# Allegro board 20250806_UNOQ.brd (continued)
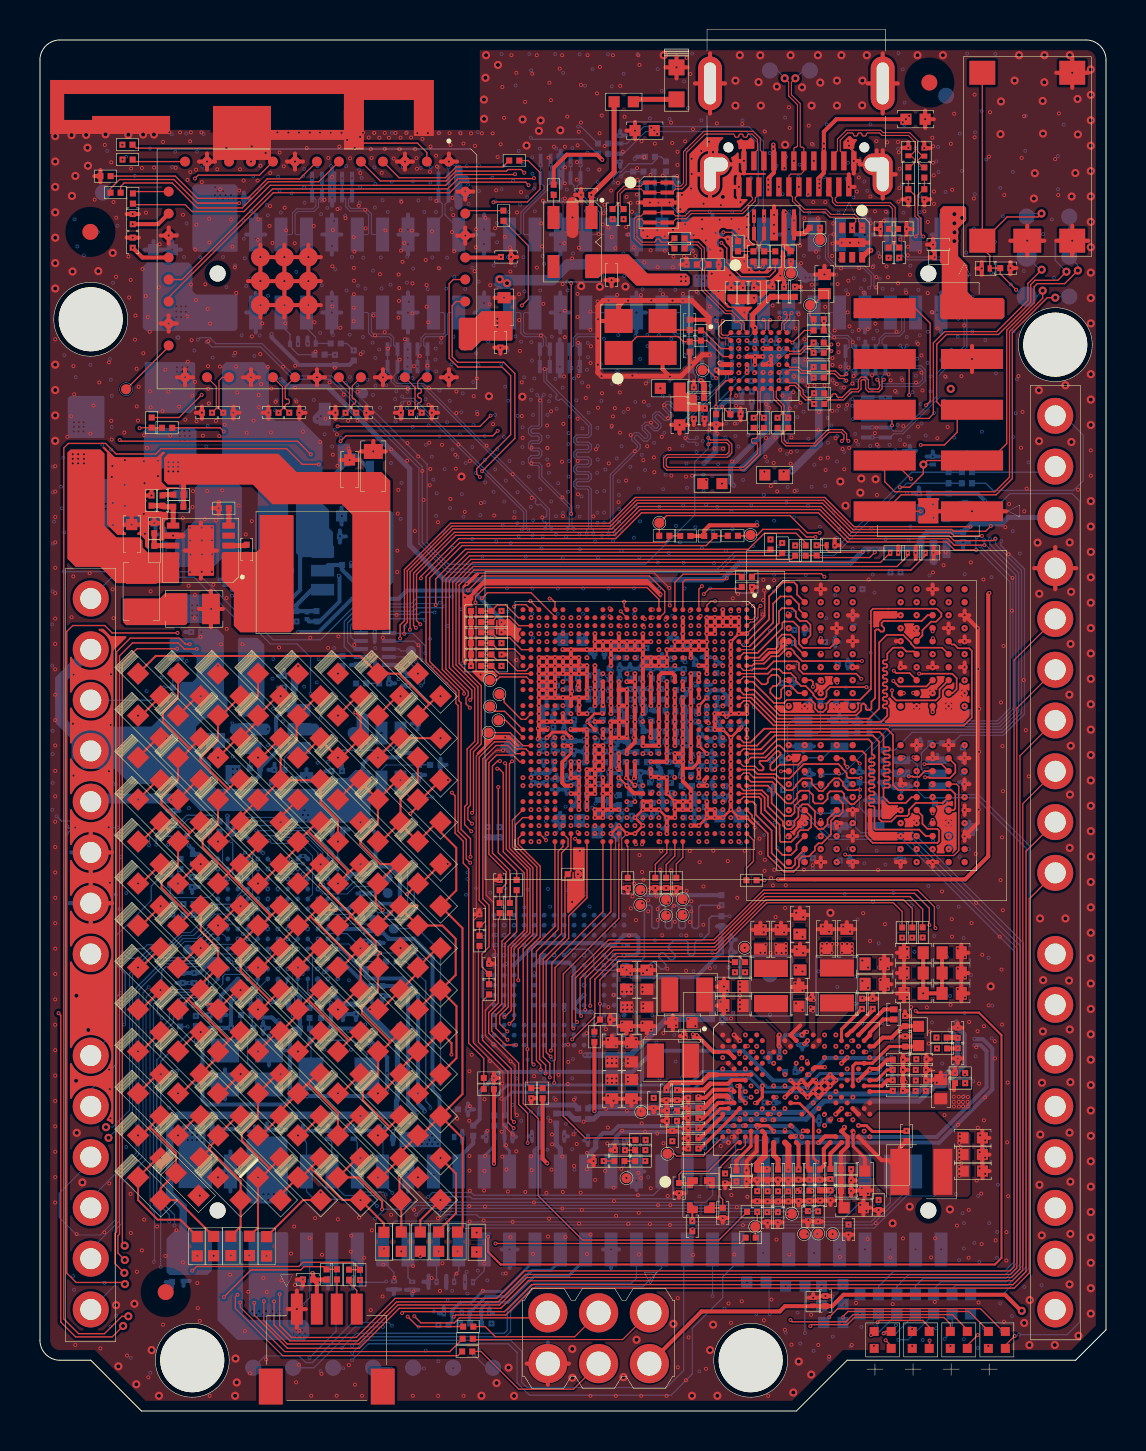
[diagram p0: board, top side]
## Routing (per net, layer and track width the routed paths; a pad name or vN(x,y) marks a point on that pad's centre or on a via; arc(x,y) is an arc through that point) (continued)
  G2 w0.2: 28.17,36.48 v2(28.17,36.88) ; v1(30.57,30.08) v2(30.17,30.08)
  G2 w0.203: JUSB1.S5 42.17,67.91 ; JUSB1.S5 42.92,66.41 ; JUSB1.S5 41.41,66.41 ; JUSB1.S5 42.17,64.91 ; 50.8,41.11 JDIGITAL1.15 ; JDIGITAL1.15 49.75,42.16 ; JDIGITAL1.15 50.8,43.21 ; JDIGITAL1.15 51.85,42.16 ; 32.87,61.86 JUSB1.S2 ; JUSB1.S2 33.53,63.06 ; JUSB1.S2 33.53,60.66 ; JSPI1.6 26.47,2.37 ; JSPI1.6 25.41,3.43 ; JSPI1.6 25.41,1.32 ; JSPI1.6 24.36,2.37 ; 35.96,15.58 36.19,15.58 36.19,15.93 ; 33.53,64.91 JUSB1.S6 ; JUSB1.S6 34.28,66.41 ; JUSB1.S6 32.77,66.41 ; JUSB1.S6 33.53,67.91 ; JANALOG1.7 3.59,25.4 ; JANALOG1.7 1.49,25.4 ; JANALOG1.7 2.54,24.35 ; JANALOG1.7 2.54,26.45 ; JANALOG1.6 2.54,28.99 ; JANALOG1.6 2.54,26.89 ; JANALOG1.6 1.49,27.94 ; JANALOG1.6 3.59,27.94 ; 42.17,60.66 JUSB1.S1 ; JUSB1.S1 42.82,61.86 ; JUSB1.S1 42.17,63.06 ; 41.01,62.36 JUSB1.S3 41.87,63.06 ; 33.83,63.06 JUSB1.S4 34.68,62.36 ; v1(39.02,11.57) v1(38.51,11.57)
  S3 w0.05: 34.37,40.09 34.63,40.35 ; 35.26,40.23 35.26,39.96 v2(34.97,39.68)
  S3 w0.051: v2(41.15,20.65) 41.28,20.65 41.39,20.76 ; 22.48,30.69 22.66,30.51 23.82,30.51 23.96,30.65 ; 27.32,47.3 32.93,41.69 32.93,39.69 33.1,39.52 33.15,39.52 v2(33.17,39.5) ; 34.39,39.72 34.35,39.68 v2(34.17,39.68) 34.37,39.88 34.37,40.09
  S3 w0.058: 29.79,49.96 29.56,50.19 29.46,50.19
  S3 w0.06: v2(35.29,15.98) 35.04,15.72 34.89,15.72 34.52,15.35 34.52,15.18 33.42,14.08 33.42,13.74 33.18,13.5 32.19,13.5 31.68,14.01 v2(31.64,14.01) ; 15.62,47.68 15.62,45.39 18.44,42.57 20.28,42.57 21.74,41.11 v2(21.74,41.03) 21.56,40.85 21.33,40.85 19.91,42.27 18.42,42.27 15.36,45.33 15.36,47.14 v2(15.25,47.25)
  S3 w0.064: 35.26,39.96 35.31,40.02 36.16,40.02 36.31,40.17 36.31,40.38 36.15,40.55 36.15,40.74 36.19,40.78 ; v2(35.53,15.06) 35.46,15.06 35.41,15.11 35.2,15.11 35.1,15.01 34.7,15.01 33.71,14.02 33.71,13.01 33.53,12.83 31.6,12.83 30.45,13.98 v2(30.28,13.98) ; 34.63,40.35 34.7,40.42 35.16,40.89 35.16,42.44 30.84,46.76 30.84,47.86 30.42,48.28 29.84,48.28 29.62,48.5 ; v2(29.95,11.91) 30.65,11.91 30.74,11.82 33.99,11.82 34.82,12.65 ; 1.03,42.7 1.34,42.7 ; 35.26,40.23 35.26,40.42 35.56,40.72 35.56,42.6 31.83,46.33 31.34,46.82 31.34,47.35
  S3 w0.066: 30.12,13.34 30.61,13.34 31.39,12.55 32.67,12.55 32.67,12.55 33.58,12.55 33.97,12.94 33.97,13.09 34,13.11 34,13.22 34.04,13.26 v2(34.07,13.26) ; 30.12,13.34 30.05,13.41 30.05,13.75 v2(30.28,13.98) ; 30.12,13.34 30.05,13.26 30.05,12.85 30.15,12.75 ; 30.15,12.75 30.78,12.75 30.87,12.67 30.87,12.67 31.22,12.32 32.58,12.32 32.58,12.32 33.77,12.32 34.36,12.91 34.36,13.13 34.36,13.14 34.36,13.45 ; 30.15,12.75 30.05,12.65 30.05,12.33 30.11,12.27 30.78,12.27 30.97,12.09 33.87,12.09 34.46,12.68
  S3 w0.079: 7.39,12.13 7.43,12.09 9.07,12.09
  S3 w0.1: v2(30.15,19.41) 30.27,19.52 30.51,19.52 ; 29.72,18.13 29.49,18.13 v2(29.39,18.24)
  S3 w0.127: v2(31.77,30.48) 31.77,30.19 31.71,30.14 v3(31.83,30.14) ; v3(30.97,31.96) v2(30.97,31.68) ; v2(43.06,30.06) 43.05,30.05 v3(42.79,30.05) ; v3(29.21,34.77) 29.22,34.77 29.37,34.62 v2(29.37,34.48) ; v2(28.97,36.48) 28.97,36.28 v3(29.07,36.18) ; v3(30.1,31.65) 30.1,31.61 SOC1.R23 29.77,31.33 v2(29.78,31.33) ; v2(30.57,32.08) 30.21,32.08 v3(30.21,32.16) ; v3(32.21,32.8) 32.21,32.8 32.17,32.76 v2(32.17,32.48) ; v3(26.03,31.68) v2(26.57,31.68) ; v3(45.39,38.88) 45.39,39.04 45.46,39.12 v2(45.46,39.16) ; v3(43.26,28.55) 43.06,28.74 v2(43.06,28.76) ; v3(31.89,33.25) 31.9,33.25 31.93,33.28 v2(32.17,33.28) ; v3(45.07,29.28) 45.2,29.41 v2(45.46,29.41) ; v3(30.44,37.28) v2(30.17,37.28) ; 30.47,29.99 30.57,30.09 v2(30.57,30.4) ; v2(28.17,31.68) 28.17,31.31 28.28,31.2 28.28,31.19 v3(28.28,31.19) ; 40.46,37.02 40.46,37.01 v3(40.46,37.01) v2(40.66,37.21) ; v2(45.46,33.31) 45.46,33.24 v3(45.29,33.06) ; v3(38.81,35.74) 38.98,35.91 v2(39.06,35.91) ; v3(44.18,36.24) 44.35,36.41 44.44,36.41 44.72,36.7 44.72,37.15 v2(44.66,37.21) ; v3(37.13,28.78) 37.11,28.77 37.09,28.77 ; v3(39.53,35.4) 39.61,35.32 v2(39.86,35.32) ; v2(28.57,30.08) 28.81,30.08 28.91,30.18 28.91,30.08 v3(28.85,30.08) ; v3(28.52,30.53) 28.57,30.53 v2(28.57,30.88) ; v2(27.37,33.28) 27.16,33.28 27.1,33.22 v3(27.1,33.22) ; v2(28.97,33.68) 28.98,33.68 28.98,33.66 29.01,33.69 29.01,33.45 29.03,33.43 29.03,33.35 29.06,33.33 29,33.33 29,33.32 v3(28.97,33.32) ; v2(32.17,31.68) 32.17,31.61 31.98,31.42 31.98,31.39 32,31.39 32,31.43 v3(31.99,31.43) ; v3(42.86,37.4) 42.87,37.4 v2(43.06,37.21) ; v3(33.09,37.68) v2(33.37,37.68) ; v2(28.17,29.68) 27.99,29.68 v3(27.9,29.6) ; v3(27.37,35.41) v2(27.37,35.68) ; v3(26.83,34.16) 26.64,34.16 26.6,34.11 26.54,34.11 26.54,34.13 26.58,34.13 26.58,34.13 v2(26.56,34.13) ; v2(32.53,30.49) 32.56,30.49 32.56,30.56 32.57,30.55 32.57,30.13 32.51,30.07 32.51,30.04 32.58,30.04 v3(32.58,30.06) ; v3(28.28,37.68) v2(28.57,37.68) ; v3(43.92,29.69) 43.92,29.47 v2(43.86,29.41) ; v3(26.29,32.08) v2(26.57,32.08) ; v3(26.69,30.08) v2(26.97,30.08) ; v3(33.3,38.08) v2(32.97,38.08) ; v3(28.17,30.36) v2(28.17,30.08)
  S3 w0.15: v2(35.1,34.2) 34.84,34.46 v3(34.75,34.46) 34.62,34.46 34.36,34.71 v2(34.36,34.72)
  S3 w0.2: v2(46.26,38.51) v3(46.56,38.51) ; v3(46.55,32.68) 46.52,32.66 v2(46.26,32.66) ; v2(31,34.08) 31,34.08 30.98,34.08 30.98,34.08 30.97,34.08 30.97,34.08 30.97,34.08 30.97,33.85 30.88,33.76 ; v3(29.18,33.99) 29.2,33.99 29.2,33.91 v2(29.36,33.76) ; v2(45.46,35.26) 45.48,35.24 v3(45.48,34.97) ; v3(28.74,34.3) 28.74,34.3 28.74,34.29 28.75,34.29 28.75,34.25 28.8,34.25 v2(29.01,34.46) ; v2(28.97,35.28) 28.97,35.38 29.1,35.51 v3(29.1,35.61) ; v2(30.97,34.48) 30.97,34.84 31.01,34.84 31.01,34.84 30.99,34.84 30.99,34.83 v3(31.02,34.83) ; v2(43.86,39.16) v3(43.86,38.87) ; v2(28.17,36.08) 28.17,36.36 v3(28.2,36.36) ; v2(46.26,28.76) v3(46.55,28.76) ; v3(39.64,38.98) 39.68,38.98 v2(39.86,39.16) ; v3(32.21,33.76) 32.21,33.76 32.17,33.8 v2(32.17,34.08) ; v2(39.86,29.41) 39.58,29.41 v3(39.58,29.41) ; v2(28.57,32.88) 28.57,33.19 v3(28.59,33.22) ; v3(31.03,35.58) 31.03,35.58 31.01,35.58 31.01,35.58 30.97,35.53 v2(30.97,35.28) ; v2(38.26,29.41) v3(38.26,29.69) ; v3(30.23,33.56) 30.27,33.56 30.27,33.58 30.22,33.58 30.22,33.58 30.17,33.53 30.17,33.32 30.16,33.31 30.16,33.29 30.17,33.28 v2(30.19,33.28) ; v2(44.66,41.11) v3(44.97,41.11) ; v3(29.07,36.88) v2(29.37,36.88) ; v2(46.26,31.36) v3(46.55,31.36) ; v2(37.4,28.71) 37.2,28.71 v3(37.13,28.78) ; v2(46.26,39.81) v3(46.56,39.81) ; v2(39.08,27.43) v3(39.08,27.15) ; v2(30.97,36.48) 30.97,36.66 31.06,36.75 31.06,36.86 v3(30.99,36.86) ; v3(29.25,31.93) 29.21,31.93 29.21,31.93 29.31,31.83 29.31,31.67 v2(29.33,31.67) ; v2(46.26,35.91) v3(45.99,35.91) ; v2(46.26,37.21) 46.54,37.21 v3(46.55,37.22) ; v2(38.32,39.12) v3(38.52,39.32) ; v3(30.17,36.07) v2(30.17,35.68) ; v3(30.17,35.28) v2(30.17,34.88) ; v2(44.66,27.46) v3(44.46,27.66) ; v3(28.52,32.37) 28.5,32.37 28.5,32.36 28.57,32.29 v2(28.57,32.08) ; v2(40.66,39.81) v3(41,39.81) ; v2(43.06,39.81) 42.83,39.81 42.82,39.8 v3(42.79,39.8) ; v3(32.17,35.33) v2(32.17,35.68) ; v2(28.57,37.28) 28.39,37.28 v3(28.31,37.2) ; v2(43.06,38.51) 42.88,38.32 42.88,38.31 v3(42.87,38.31) ; v2(37.42,39.9) 37.43,39.9 v3(37.63,40.09) ; v2(43.06,27.46) v3(43.06,27.17) ; v3(31.01,37.68) v2(31.37,37.68) ; v2(46.26,30.06) v3(46.58,30.06) ; v3(32.17,34.55) v2(32.17,34.88) ; v3(40.38,28.73) 40.4,28.76 v2(40.66,28.76)
  S3 w0.203: 1.49,27.94 JANALOG1.6 ; JANALOG1.6 2.54,28.99 ; JANALOG1.6 3.59,27.94 ; JANALOG1.6 2.54,26.89 ; v3(37.18,38.06) 37.18,38.36 v2(37.19,38.37) ; JUSB1.S1 42.82,61.86 ; JUSB1.S1 42.17,63.06 ; JUSB1.S1 42.17,60.66 ; JDIGITAL1.15 50.8,43.21 ; JDIGITAL1.15 50.8,41.11 ; JDIGITAL1.15 51.85,42.16 ; JDIGITAL1.15 49.75,42.16 ; JUSB1.S5 42.17,67.91 ; JUSB1.S5 42.92,66.41 ; JUSB1.S5 41.41,66.41 ; JSPI1.6 26.47,2.37 ; JSPI1.6 25.41,1.32 ; JSPI1.6 24.36,2.37 ; JSPI1.6 25.41,3.43 ; 33.83,63.06 JUSB1.S4 34.68,62.36 ; 41.01,62.36 JUSB1.S3 41.87,63.06 ; v3(33.6,29.54) 33.6,29.65 33.57,29.68 v2(33.37,29.68) ; 1.49,25.4 JANALOG1.7 ; JANALOG1.7 3.59,25.4 ; JANALOG1.7 2.54,26.45 ; JANALOG1.7 2.54,24.35 ; 32.77,66.41 JUSB1.S6 ; JUSB1.S6 34.28,66.41 ; JUSB1.S6 33.53,67.91 ; v2(42.06,21.56) 42.06,21.56 42.23,21.39 ; v2(39.26,18.24) 39.26,18.1 39.19,18.03 ; JUSB1.S2 33.53,63.06 ; JUSB1.S2 33.53,60.66 ; JUSB1.S2 32.87,61.86
  V4 w0.203: 41.01,62.36 JUSB1.S3 41.87,63.06 ; JSPI1.6 26.47,2.37 ; JSPI1.6 24.36,2.37 ; JSPI1.6 25.41,3.43 ; JSPI1.6 25.41,1.32 ; JUSB1.S6 33.53,67.91 ; JUSB1.S6 32.77,66.41 ; JUSB1.S6 33.53,64.91 ; JUSB1.S6 34.28,66.41 ; JANALOG1.6 3.59,27.94 ; JANALOG1.6 2.54,26.89 ; JANALOG1.6 2.54,28.99 ; JANALOG1.6 1.49,27.94 ; 42.17,60.66 JUSB1.S1 ; JUSB1.S1 42.17,63.06 ; JUSB1.S1 42.82,61.86 ; 41.41,66.41 JUSB1.S5 ; JUSB1.S5 42.92,66.41 ; JUSB1.S5 42.17,64.91 ; JUSB1.S5 42.17,67.91 ; 50.8,41.11 JDIGITAL1.15 ; JDIGITAL1.15 49.75,42.16 ; JDIGITAL1.15 51.85,42.16 ; JDIGITAL1.15 50.8,43.21 ; JANALOG1.7 3.59,25.4 ; JANALOG1.7 2.54,26.45 ; JANALOG1.7 2.54,24.35 ; JANALOG1.7 1.49,25.4 ; 33.53,60.66 JUSB1.S2 ; JUSB1.S2 33.53,63.06 ; JUSB1.S2 32.87,61.86 ; 33.83,63.06 JUSB1.S4 34.68,62.36
  V5 w0.203: 41.01,62.36 JUSB1.S3 41.87,63.06 ; JUSB1.S5 42.17,67.91 ; JUSB1.S5 41.41,66.41 ; JUSB1.S5 42.92,66.41 ; JDIGITAL1.15 50.8,43.21 ; JDIGITAL1.15 50.8,41.11 ; JDIGITAL1.15 49.75,42.16 ; JDIGITAL1.15 51.85,42.16 ; 42.17,60.66 JUSB1.S1 ; JUSB1.S1 42.17,63.06 ; JUSB1.S1 42.82,61.86 ; 12.75,17.11 13.34,17.7 v3(13.36,17.7) ; JSPI1.6 25.41,3.43 ; JSPI1.6 26.47,2.37 ; JSPI1.6 24.36,2.37 ; JSPI1.6 25.41,1.32 ; JUSB1.S2 33.53,63.06 ; JUSB1.S2 33.53,60.66 ; JUSB1.S2 32.87,61.86 ; 33.83,63.06 JUSB1.S4 34.68,62.36 ; JUSB1.S6 33.53,67.91 ; JUSB1.S6 32.77,66.41 ; JUSB1.S6 34.28,66.41
  S6 w0.051: 32.71,33.27 32.71,33.27 32.83,33.15 32.95,33.15
  S6 w0.127: v3(26.71,30.63) v5(26.91,30.82)
  S6 w0.15: v3(30.23,33.56) 30.23,33.67 30.1,33.8
  S6 w0.2: 27.93,29.88 27.93,29.62 v3(27.9,29.6) ; v3(39.08,27.15) 39.08,27.15 v5(38.68,27.15) ; v3(28.97,33.32) 29,33.32 29,33.33 29.06,33.33 29.03,33.35 29.03,33.43 28.96,33.43 v5(28.82,33.57) ; v5(38.26,39.07) 38.27,39.07 v3(38.52,39.32) ; v5(29.3,33.74) 29.3,33.67 29.2,33.76 29.2,33.99 v3(29.18,33.99) ; v3(39.64,38.98) 39.79,38.83 v5(39.79,38.47) ; v3(26.83,34.16) 26.94,34.05 v5(27.27,34.05) ; v5(46.21,31.44) 46.41,31.44 46.5,31.36 v3(46.55,31.36) ; v5(26.91,30.28) 26.89,30.28 v3(26.69,30.08) 26.93,29.85 26.93,29.75 ; v3(46.55,32.68) 46.53,32.68 46.53,32.68 v5(46.18,32.68) ; v3(38.26,29.69) 38.13,29.56 v5(38.13,29.41) ; v5(26.91,31.36) v5(26.91,30.82) ; v3(40.66,27.17) 40.52,27.32 v5(40.52,27.53) ; v3(28.85,30.08) 28.91,30.08 28.91,30.1 29.1,29.9 v5(29.1,29.79) ; v5(32.64,38.4) 32.35,38.69 v5(31.71,38.69) ; v5(29,37.15) 29,36.94 v3(29.07,36.88) 29.07,36.88 v5(29.07,36.59) ; v3(46.58,30.06) 46.15,29.63 46.15,29.41 ; v5(45.96,34.97) v3(45.48,34.97) ; v3(40.66,31.37) 40.66,31.38 v5(40.36,31.38) ; v3(40.46,37.01) 40.42,37.04 v5(40.42,37.36) ; v3(29.21,34.77) 29.18,34.75 29.18,34.51 v5(29.14,34.46) ; v3(27.1,33.22) 27.26,33.06 27.26,33 v5(27.27,33) ; v5(26.35,31.6) 26.35,31.6 C1834.2 26.12,31.6 v3(26.03,31.68) 25.89,31.54 v5(25.76,31.54) ; v5(37.21,38.41) 37.18,38.37 v3(37.18,38.06) ; v3(28.2,36.36) 28.15,36.36 27.99,36.21 v5(27.99,36.12) ; 26.5,35.5 26.35,35.65 v5(26.35,35.7) ; v5(36.67,31.06) v3(36.67,30.77) 36.64,30.74 v5(34.29,30.74) 34.27,30.73 v5(33.77,30.73) ; v3(43.06,27.17) 43.03,27.2 v5(43.03,27.59) ; v3(28.52,30.53) 28.57,30.53 28.57,30.4 28.45,30.28 28.45,30.25 28.4,30.3 28.23,30.3 v3(28.17,30.36) ; v5(35,34.35) 34.86,34.35 v3(34.75,34.46) 34.68,34.52 34.09,34.52 v5(33.97,34.63) ; v5(33.84,37.42) 33.65,37.42 v5(33.36,37.71) 33.11,37.71 v3(33.09,37.68) 32.87,37.46 32.87,37.48 v5(32.84,37.48) ; v5(28.3,33.53) 28.32,33.53 28.32,33.56 28.59,33.29 v3(28.59,33.22) ; v3(46.55,28.76) 46.55,28.47 46.47,28.39 v5(46.47,28.1) ; v3(28.28,31.19) 28.28,31.19 28.28,31.2 28.42,31.34 28.55,31.34 28.55,31.33 28.54,31.33 28.54,31.32 v5(28.54,31.32)
  S6 w0.203: 30.99,35.15 30.96,35.13 v5(30.88,35.13) ; JUSB1.S6 34.28,66.41 ; JUSB1.S6 32.77,66.41 ; JUSB1.S6 33.53,67.91 ; v5(6.17,44.53) 6.05,44.53 ; JUSB1.S2 33.53,63.06 ; JUSB1.S2 32.87,61.86 ; JUSB1.S2 33.53,60.66 ; v5(30.04,34.6) 30.08,34.6 30.15,34.67 ; JANALOG1.6 3.59,27.94 ; JANALOG1.6 2.54,28.99 ; JANALOG1.6 2.54,26.89 ; JANALOG1.6 1.49,27.94 ; 44,29.27 43.92,29.35 v3(43.92,29.69) ; v5(26.17,38.6) 26.28,38.71 26.3,38.71 26.3,38.36 ; JANALOG1.7 3.59,25.4 ; JANALOG1.7 2.54,24.35 ; JANALOG1.7 1.49,25.4 ; JANALOG1.7 2.54,26.45 ; v3(39.53,35.4) 39.19,35.74 v3(38.81,35.74) ; v3(41,39.81) 40.94,39.75 v5(40.7,39.75) ; 41.87,63.06 JUSB1.S3 41.01,62.36 ; 25.41,1.32 JSPI1.6 ; JSPI1.6 24.36,2.37 ; JSPI1.6 26.47,2.37 ; JSPI1.6 25.41,3.43 ; v4(8.74,21.08) 8.74,20.88 v3(8.81,20.8) ; 32.16,33.35 32.22,33.41 v5(32.35,33.41) ; 32.18,36.02 32.28,36.12 v5(32.36,36.12) ; JUSB1.S5 42.92,66.41 ; JUSB1.S5 42.17,67.91 ; JUSB1.S5 41.41,66.41 ; 42.17,63.06 JUSB1.S1 42.82,61.86 ; 50.8,41.11 JDIGITAL1.15 ; JDIGITAL1.15 49.75,42.16 ; JDIGITAL1.15 51.85,42.16 ; JDIGITAL1.15 50.8,43.21 ; 34.68,62.36 JUSB1.S4 33.83,63.06
  G7 w0.051: 33.8,34.35 33.4,34.35 33.35,34.3 33.35,33.65 ; 28.55,37.25 28.7,37.25 28.83,37.12 ; 33.2,31.5 33.05,31.35 32.75,31.35 32.65,31.45 32.5,31.45
  G7 w0.2: v5(33.97,34.63) 33.95,34.63 33.95,34.66 33.92,34.66 33.92,34.58 33.91,34.58 34.03,34.46 v5(34.03,34.11) ; v5(32.74,30.19) 32.74,30.19 32.98,29.95 ; v5(30.66,37.1) 31.11,37.1 v5(31.14,37.14) 31.39,37.14 31.43,37.1 v5(31.71,37.1) 32.21,37.1 v5(32.21,37.11) 32.46,37.11 32.58,37.23 32.63,37.23 32.69,37.28 32.82,37.41 32.87,37.41 32.87,37.48 v5(32.84,37.48)
  G7 w0.203: v5(33.56,32.8) 33.54,32.8 v5(33.01,33.33) ; 42.17,64.91 JUSB1.S5 ; JUSB1.S5 41.41,66.41 ; JUSB1.S5 42.92,66.41 ; JUSB1.S5 42.17,67.91 ; JUSB1.S1 42.17,63.06 ; JUSB1.S1 42.82,61.86 ; JUSB1.S1 42.17,60.66 ; v5(26.23,34.08) 26.23,33.92 26.25,33.9 ; 41.01,62.36 JUSB1.S3 41.87,63.06 ; JANALOG1.6 2.54,28.99 ; JANALOG1.6 1.49,27.94 ; JANALOG1.6 3.59,27.94 ; v4(9.75,24.68) 9.47,24.68 v5(9.4,24.61) ; JDIGITAL1.15 51.85,42.16 ; JDIGITAL1.15 50.8,43.21 ; JDIGITAL1.15 50.8,41.11 ; JDIGITAL1.15 49.75,42.16 ; 33.53,64.91 JUSB1.S6 ; JUSB1.S6 33.53,67.91 ; JUSB1.S6 32.77,66.41 ; JUSB1.S6 34.28,66.41 ; 2.54,24.35 JANALOG1.7 ; JANALOG1.7 1.49,25.4 ; JANALOG1.7 3.59,25.4 ; 32.87,61.86 JUSB1.S2 ; JUSB1.S2 33.53,63.06 ; JUSB1.S2 33.53,60.66 ; 34.12,19.76 34.13,19.75 v5(34.13,19.61) ; v5(33.69,32.29) 33.71,32.27 33.71,31.3 v5(33.75,31.3) ; 33.83,63.06 JUSB1.S4 34.68,62.36 ; JSPI1.6 25.41,3.43 ; JSPI1.6 25.41,1.32 ; JSPI1.6 24.36,2.37 ; JSPI1.6 26.47,2.37
  BOTTOM w0.051: v5(27.8,34.04) 27.81,34.04 28.09,33.76 28.22,33.76 28.3,33.68 v5(28.3,33.53) ; v5(10.4,22.11) 10.64,22.35 11.18,22.35 v5(11.25,22.28) ; v5(10.4,22.11) 10.16,22.35 9.68,22.35 v5(9.58,22.45) ; v5(10.4,22.11) 10.62,21.89 11.17,21.89 MCU1.H2 ; 30.78,35.86 30.89,35.86 31.15,35.6 C1812.2 31.15,35.56 30.91,35.32 ; MCU1.B8 v5(14.2,25.3)
  BOTTOM w0.064: 30.78,34 30.88,34.08 30.88,34.08 30.9,34.08 30.9,34.11 30.96,34.11 30.96,34.1 30.98,34.1 31,34.1 ; C1823.2 29.43,33.54 29.34,33.63 29.31,33.63 29.31,33.66 29.3,33.66 v5(29.3,33.74)
  BOTTOM w0.1: MCU1.H2 11.4,22.13 v5(11.25,22.28)
  BOTTOM w0.2: 16.75,38.47 v5(16.75,38.97) ; C1743.2 v5(26.26,32.44)
  BOTTOM w0.203: 34.36,15.57 C803.2 ; C803.2 34.58,15.8 ; C803.2 34.58,15.34 ; 14.16,6.44 D26075.1 ; D26075.1 14.41,6.13 ; D26075.1 14.41,6.66 v5(14.41,6.66) ; 15.51,45.28 v5(15.86,45.28) ; v5(15.86,45.28) 15.86,45.88 ; v5(15.86,45.28) 16.21,45.28 ; v5(15.86,45.28) 15.86,44.68 ; 10.61,18.04 Y2501.4 ; Y2501.4 11.46,18.79 ; Y2501.4 11.46,17.29 ; Y2501.4 12.31,18.04 ; v5(36.49,17.69) 36.49,17.91 ; v5(36.49,17.69) 36.27,17.69 ; v5(36.49,17.69) 36.49,17.46 ; 40.67,34.45 v5(40.9,34.45) ; v5(40.9,34.45) 41.13,34.45 ; v5(40.9,34.45) 40.9,34.68 ; v5(9.96,20.88) 9.55,20.48 v5(9.55,19.16) 8.47,19.16 8.13,18.82 v5(8.13,17.02) 8.13,16.35 ; 8.16,33.53 v5(8.78,33.53) ; v5(8.78,33.53) 9.41,33.53 ; v5(8.78,33.53) 8.78,33 ; v5(6.23,43.84) 6.53,43.84 ; v5(6.23,43.84) 6.23,44.15 ; v5(6.23,43.84) 5.93,43.84 ; 29.84,57.84 v5(29.84,58.85) ; v5(29.84,58.85) 29.84,59.85 ; v5(29.84,58.85) 29.37,58.85 ; v5(29.84,58.85) 30.32,58.85 ; 49.75,42.16 JDIGITAL1.15 ; JDIGITAL1.15 50.8,41.11 ; JDIGITAL1.15 50.8,43.21 ; 36.99,58.85 JMEDIA1.14 ; JMEDIA1.14 37.94,58.85 ; JMEDIA1.14 37.47,57.84 ; JMEDIA1.14 37.47,59.85 ; v5(21.41,15.09) 21.72,15.09 ; v5(21.41,15.09) 21.41,14.79 ; v5(21.41,15.09) 21.41,15.39 ; 22.23,57.84 JMEDIA1.38 ; JMEDIA1.38 22.23,59.85 ; JMEDIA1.38 22.7,58.85 ; JMEDIA1.38 21.75,58.85 ; 33.87,24.25 R2113.2 ; R2113.2 34.33,24.25 ; R2113.2 v5(34.1,23.93) ; 30.89,29.92 C1909.2 30.66,29.69 ; 15,43.45 v5(15,43.75) ; v5(15,43.75) 15.31,43.75 ; v5(15,43.75) 15,44.05 ; 32.08,32.54 C1903.2 31.85,32.31 ; v5(41.3,52.58) 41.3,53.51 ; 30.56,33.49 30.78,33.49 30.78,33.72 ; 25.35,36.05 C1920.2 ; C1920.2 25.35,36.51 ; C1920.2 25.13,36.28 ; 18.41,10.98 v5(18.41,11.98) ; v5(18.41,11.98) 17.94,11.98 ; v5(18.41,11.98) 18.89,11.98 ; 40.42,37.13 v5(40.42,37.36) ; v5(40.42,37.36) 40.42,37.58 ; v5(40.42,37.36) 40.65,37.36 ; 45.95,32.68 v5(46.18,32.68) ; v5(46.18,32.68) 46.41,32.68 ; v5(46.18,32.68) 46.18,32.45 ; 16.85,42.22 C2808.2 16.42,42.65 ; 40,28.98 v5(40,29.25) ; v5(40,29.25) 39.48,29.25 ; v5(40,29.25) 40.52,29.25 ; v5(39.79,38.47) 40.02,38.47 ; v5(39.79,38.47) 39.79,38.7 ; v5(39.79,38.47) 39.79,38.24 ; 42.17,60.66 JUSB1.S1 ; JUSB1.S1 42.82,61.86 ; JUSB1.S1 42.17,63.06 ; 31.21,32.47 C1742.2 31.67,32.47 ; v5(38.5,31.85) 38.5,32.08 ; v5(38.5,31.85) 38.27,31.85 ; v5(38.5,31.85) 38.73,31.85 ; 26.91,31.13 v5(26.91,31.36) ; v5(26.91,31.36) 26.68,31.36 ; v5(26.91,31.36) 26.91,31.59 ; 30.37,61.12 v5(30.37,61.43) 30.11,61.43 ; 21.27,6.14 v5(21.27,6.45) 21.27,6.76 ; 12.7,19.13 C2527.2 ; C2527.2 13,18.82 ; C2527.2 12.5,18.62 ; C2527.2 13,20.7 v5(12.8,20.9) ; 29.83,30.93 C1907.2 ; C1907.2 30.01,30.88 C1844.2 ; C1907.2 30.06,30.71 ; C1907.2 30.06,31.16 ; 7.04,45.49 D26201.1 ; D26201.1 6.52,45.86 ; D26201.1 7.04,46.23 ; 45.96,34.74 v5(45.96,34.97) ; v5(45.96,34.97) 45.73,34.97 ; v5(45.96,34.97) 45.96,35.2 ; v5(28.78,32.98) 28.78,33.21 ; v5(28.78,32.98) 29.01,32.98 ; v5(28.78,32.98) 28.78,32.75 ; 29.07,32.97 C1716.2 29.52,32.97 ; JMEDIA1.19 34.13,54.95 ; JMEDIA1.19 33.66,53.94 ; JMEDIA1.19 33.66,55.95 ; JMEDIA1.19 33.18,54.95 ; v5(28.57,8.08) 28.97,8.08 ; v5(28.57,8.08) 28.18,8.08 ; v5(28.57,8.08) 28.57,7.16 ; 45.98,31.44 v5(46.21,31.44) ; v5(46.21,31.44) 46.44,31.44 ; v5(46.21,31.44) 46.21,31.21 ; 33.62,32.04 C1839.2 ; C1839.2 33.62,32.5 ; C1839.2 33.85,32.27 ; 43.03,27.37 v5(43.03,27.59) ; v5(43.03,27.59) 43.26,27.59 ; v5(43.03,27.59) 42.8,27.59 ; 27.41,13.31 v5(27.41,13.54) ; v5(27.41,13.54) 27.41,13.77 ; v5(27.41,13.54) 27.23,13.54 ; 9.52,10.98 9.52,11.98 ; 9.52,11.98 9.52,12.98 ; 9.52,11.98 10,11.98 ; 9.52,11.98 9.05,11.98 ; 33.83,63.06 JUSB1.S4 34.68,62.36 ; v5(44.05,33.4) 44.05,33.63 ; v5(44.05,33.4) 44.05,33.17 ; v5(44.05,33.4) 43.82,33.4 ; MCU1.B2 v5(14.22,21.95) ; v5(40.7,39.75) 40.93,39.75 ; v5(40.7,39.75) 40.47,39.75 ; v5(40.7,39.75) 40.7,39.98 ; 33.18,58.85 v5(33.66,58.85) ; v5(33.66,58.85) 34.13,58.85 ; v5(33.66,58.85) 33.66,57.84 ; v5(33.66,58.85) 33.66,59.85 ; 24.44,13.74 v5(24.62,13.74) ; v5(24.62,13.74) 24.62,13.98 ; v5(24.62,13.74) 24.62,13.51 ; 38.26,38.85 v5(38.26,39.07) ; v5(38.26,39.07) 38.49,39.07 ; v5(38.26,39.07) 38.26,39.3 ; v5(18.62,6.06) 18.94,6.06 ; v5(18.62,6.06) 18.31,6.06 ; v5(18.62,6.06) 18.62,5.81 ; D26094.1 v5(13.94,14.02) D26093.1 ; D26094.1 12.84,14.02 ; D26094.1 13.15,14.28 ; 29.01,36.91 C1740.2 ; C1740.2 29.23,37.14 ; C1740.2 29.01,37.37 ; v5(38.98,14.53) 38.98,14.76 ; v5(38.98,14.53) 38.98,14.3 ; v5(38.98,14.53) 38.75,14.53 ; 29.83,38.41 v5(29.83,38.19) 29.6,38.19 ; v5(40.36,31.38) 40.59,31.38 ; v5(40.36,31.38) 40.36,31.6 ; v5(40.36,31.38) 40.36,31.15 ; 26.72,32.78 v5(26.72,33.01) ; v5(26.72,33.01) 26.49,33.01 ; v5(26.72,33.01) 26.95,33.01 ; 41.87,63.06 JUSB1.S3 41.01,62.36 ; D26091.1 17.14,14.01 v5(17.38,14.25) ; D26091.1 17.01,14.27 ; D26091.1 16.7,14.01 ; D26091.1 17,14.02 D26092.1 ; 40.93,49.7 v5(41.86,49.7) ; 11.91,36.2 v5(12.22,36.2) 12.22,35.89 ; v5(32.13,35.6) 32.34,35.81 C1810.2 32.57,36.06 ; v5(32.74,29.68) 32.74,29.91 ; v5(32.74,29.68) 32.74,29.45 ; v5(32.74,29.68) 32.97,29.68 ; C1935.2 31.68,38.89 ; C1935.2 31.91,38.67 ; C1935.2 31.46,38.67 ; C2621.2 11.25,13.98 D26097.1 ; C2621.2 11.35,14.39 ; C2621.2 11.99,14.08 C2622.2 ; 33.87,34.93 C1916.2 33.87,35.39 ; 28.4,29.72 C1723.2 ; C1723.2 28.4,30.17 ; C1723.2 28.63,29.95 ; 30.25,31.95 C1711.2 30.02,31.72 ; 27.5,34.05 v5(27.27,34.05) 27.27,34.28 ; v5(18.97,31.81) 19.27,31.81 ; v5(18.97,31.81) 18.97,31.5 ; v5(18.97,31.81) 18.67,31.81 ; v5(38.2,33.25) 38.72,33.25 ; v5(38.2,33.25) 37.68,33.25 ; v5(38.2,33.25) 38.2,32.98 ; v5(12.5,16.07) 12.5,15.59 12.25,15.34 8.35,15.34 8.13,15.56 8.13,16.35 ; v5(12.5,16.07) 12.83,15.75 17.04,15.75 v5(17.37,16.08) 17.37,17.68 15.93,19.13 v5(14.55,19.13) ; v5(12.5,16.07) 12.5,18.62 ; 33.1,37.71 C1937.2 ; C1937.2 33.55,37.71 ; C1937.2 33.32,37.94 ; C1825.2 29.12,33.51 ; C1825.2 28.89,33.28 ; C1825.2 28.66,33.51 ; 44.38,32.55 v5(44.9,32.55) ; v5(44.9,32.55) 44.9,32.82 ; v5(44.9,32.55) 45.42,32.55 ; v5(40,34.55) 40,34.82 ; v5(40,34.55) 40.52,34.55 ; v5(40,34.55) 39.48,34.55 ; C2203.2 34.28,33.55 ; C2203.2 34.05,33.32 ; C2203.2 34.05,33.78 ; v5(34.13,20.88) 34.13,21.1 ; v5(34.13,20.88) 34.13,20.65 ; v5(34.13,20.88) 34.36,20.88 ; C1845.2 32.21,38.35 ; 10.44,13.98 D26097.1 ; D26097.1 10.75,14.24 ; 30.19,34.23 C1809.2 30.42,34.01 ; v5(29.03,63.8) 29.34,63.8 ; v5(29.03,63.8) 28.72,63.8 ; v5(29.03,63.8) 29.03,64.06 ; v5(36.67,31.06) 36.67,31.29 ; v5(36.67,31.06) 36.67,30.83 ; v5(36.67,31.06) 36.45,31.06 ; 28.84,29.37 C1707.2 28.84,28.57 ; 30.31,31.95 C1908.2 ; C1908.2 30.76,31.95 ; C1908.2 30.53,32.18 ; v5(41.27,58.85) 41.27,59.85 ; v5(41.27,58.85) 40.8,58.85 ; v5(41.27,58.85) 41.27,57.84 ; v5(41.27,58.85) 41.75,58.85 ; v5(14.62,61.66) 14.62,62.15 ; 30.56,35.04 30.78,35.04 ; 6.38,30.02 v5(6.68,30.02) ; v5(6.68,30.02) 6.68,29.72 ; v5(6.68,30.02) 6.98,30.02 ; C1806.2 27.96,36.8 C1805.2 27.95,37.03 ; 15.09,44.34 v5(15.09,44.77) 15.09,45.2 ; D26048.1 31.98,61.44 ; D26048.1 31.72,61.13 ; D26048.1 31.72,61.75 ; 41.3,51.65 v5(41.3,52.14) ; 30.35,37.44 v5(30.35,37.67) 30.58,37.67 ; 1.49,25.4 JANALOG1.7 ; JANALOG1.7 3.59,25.4 ; JANALOG1.7 2.54,26.45 ; JANALOG1.7 2.54,24.35 ; 6.87,53.7 6.91,53.7 v5(6.92,53.69) ; v5(40.52,27.53) 40.52,27.76 ; v5(40.52,27.53) 40.52,27.3 ; v5(40.52,27.53) 40.75,27.53 ; v5(24.68,31.41) 24.91,31.41 ; 26.04,53.94 v5(26.04,54.95) ; v5(26.04,54.95) 26.04,55.95 ; v5(26.04,54.95) 25.56,54.95 ; v5(26.04,54.95) 26.51,54.95 ; 24.36,2.37 JSPI1.6 ; JSPI1.6 26.47,2.37 ; JSPI1.6 25.41,3.43 ; 25.18,33.95 C1851.2 25.18,34.41 ; 41.28,30.55 v5(41.8,30.55) ; v5(41.8,30.55) 41.8,30.82 ; v5(41.8,30.55) 42.32,30.55 ; v5(18.39,52.68) 18.39,53.61 ; C2210.2 35.05,34.59 ; C2210.2 35.28,34.36 ; C2210.2 35.05,34.13 ; v5(13.34,31.68) 13.82,31.68 ; v5(13.34,31.68) 13.34,32.11 ; v5(13.34,31.68) 12.86,31.68 ; U2611.3 42.79,49.7 ; v5(37.21,38.41) 37.21,38.63 ; v5(37.21,38.41) 37.21,38.18 ; v5(37.21,38.41) 36.99,38.41 ; v5(13.09,6.66) 13.09,6.66 D26076.1 ; 29.84,11.98 29.84,12.91 ; 29.84,11.98 29.45,11.98 ; 29.84,11.98 29.84,11.06 ; 29.84,11.98 30.24,11.98 ; 30.03,31.67 C1910.2 30.03,31.21 ; 26.84,30.51 C1721.2 26.61,30.28 ; 8.18,19.81 v5(8.48,19.81) 8.48,19.51 ; C2631.2 v5(6.17,44.53) ; C2631.2 5.77,44.96 ; C2631.2 5.77,44.1 ; 28.87,29.77 C1838.2 ; C1838.2 29.1,30 ; C1838.2 29.1,29.55 ; v5(11.17,19.16) 11.48,19.16 ; v5(11.17,19.16) 11.17,18.86 ; v5(11.17,19.16) 11.17,19.47 ; 30.91,37.65 C1913.2 ; C1913.2 31.13,37.42 ; C1913.2 31.13,37.87 ; 30.37,29.79 C1904.2 30.14,29.57 ; 10.32,54.95 v5(10.79,54.95) ; v5(10.79,54.95) 10.79,53.94 ; v5(10.79,54.95) 10.79,55.95 ; v5(10.79,54.95) 11.27,54.95 ; D26093.1 14.42,14.28 ; D26093.1 15.66,14.02 ; C1939.2 25.17,35.06 C1918.2 25.17,34.49 ; C1939.2 25.12,35.23 ; C1939.2 25.34,35.46 ; 26.13,31.6 C1834.2 ; C1834.2 26.35,31.83 ; C1834.2 26.58,31.6 ; 25.82,38.6 v5(26.17,38.6) 26.17,39 ; 14.62,60.29 v5(14.62,61.22) ; C2622.2 12,14.38 ; C2622.2 12.29,14.07 v5(12.29,14.07) ; C2622.2 11.7,14.07 ; JMEDIA1.32 26.51,58.85 ; JMEDIA1.32 26.04,59.85 ; JMEDIA1.32 26.04,57.84 ; JMEDIA1.32 25.56,58.85 ; v5(37.8,53.06) 37.8,53.37 ; Y2501.2 10.11,16.34 ; Y2501.2 9.26,17.09 ; Y2501.2 9.26,15.59 ; Y2501.2 8.14,16.34 8.13,16.35 ; 42.17,64.91 JUSB1.S5 ; JUSB1.S5 42.17,67.91 ; JUSB1.S5 42.92,66.41 ; JUSB1.S5 41.41,66.41 ; D26092.1 15.7,14.28 ; D26092.1 15.66,14.02 ; 32.37,33.23 C1815.2 32.37,33.93 C1811.2 ; v5(38.14,18.31) 38.37,18.31 ; v5(38.14,18.31) 37.92,18.31 ; v5(38.14,18.31) 38.14,18.08 ; v5(30.08,37.14) 30.31,37.14 ; v5(30.08,37.14) 30.08,37.37 ; v5(30.08,37.14) 29.86,37.14 ; 17.19,42.18 v5(17.19,41.87) 16.89,41.87 ; D26087.1 26.23,13.98 ; D26087.1 26.41,13.74 ; D26087.1 26.23,13.51 ; 16.08,23.5 v5(16.31,23.5) ; v5(16.31,23.5) 16.53,23.5 ; v5(16.31,23.5) 16.31,23.27 ; 32.77,66.41 JUSB1.S6 ; JUSB1.S6 34.28,66.41 ; JUSB1.S6 33.53,64.91 ; JUSB1.S6 33.53,67.91 ; 44.61,54.95 JMEDIA1.1 ; JMEDIA1.1 45.09,55.95 ; JMEDIA1.1 45.09,53.94 ; JMEDIA1.1 45.56,54.95 ; 14.84,37.77 v5(15.14,37.77) ; 24.98,32.49 v5(25.2,32.49) 25.2,32.26 ; v5(34.13,20.24) 34.36,20.24 ; v5(34.13,20.24) 34.13,20.47 ; v5(34.13,20.24) 34.13,20.01 ; 15.66,6.13 D26074.1 ; D26074.1 v5(15.66,6.69) ; D26074.1 15.4,6.44 ; 33.84,37.65 v5(33.84,37.42) 34.07,37.42 ; C1841.2 26.07,31.6 ; C1841.2 25.84,31.82 ; C1841.2 25.61,31.6 ; 41.97,31.45 v5(42.2,31.45) ; v5(42.2,31.45) 42.2,31.22 ; v5(42.2,31.45) 42.43,31.45 ; 29.2,33.48 C1823.2 29.43,33.25 ; v5(6.62,58.09) 6.62,58.52 ; v5(6.62,58.09) 6.19,58.09 ; v5(6.62,58.09) 7.05,58.09 ; 17.4,6.08 D26073.1 ; D26073.1 17.71,5.83 ; D26073.1 18.02,6.08 ; 26.87,30.59 C1714.2 26.87,31.05 ; 33.53,60.66 JUSB1.S2 ; JUSB1.S2 33.53,63.06 ; JUSB1.S2 32.87,61.86 ; 33.04,29.69 v5(33.27,29.69) ; v5(33.27,29.69) 33.5,29.69 ; v5(33.27,29.69) 33.27,29.47 ; 11.73,32.37 v5(11.73,32.07) 11.42,32.07 ; v5(18.41,54.95) 18.41,55.95 ; v5(18.41,54.95) 18.41,53.94 ; v5(18.41,54.95) 17.94,54.95 ; v5(18.41,54.95) 18.89,54.95 ; 26.01,51.75 v5(26.01,52.24) ; C1728.2 29.01,38.19 ; C1728.2 28.55,38.19 ; C1728.2 28.78,38.42 ; 27.58,34.04 v5(27.8,34.04) 27.8,34.26 ; v5(33.77,30.73) 33.99,30.73 ; v5(33.77,30.73) 33.77,30.5 ; v5(33.77,30.73) 33.77,30.95 ; 26.68,31.9 v5(26.91,31.9) 26.91,31.67 ; C1914.2 32.26,34.04 C1811.2 ; C1914.2 32.26,34.71 ; C1914.2 32.23,34.51 v5(32.23,34.97) 32.23,35.28 32.12,35.4 C1733.2 32.12,35.75 ; 28.71,62.49 v5(29.02,62.49) 29.02,62.23 ; v5(22.23,54.95) 22.23,55.95 ; v5(22.23,54.95) 22.23,53.94 ; v5(22.23,54.95) 22.7,54.95 ; v5(22.23,54.95) 21.75,54.95 ; 12.5,18.62 12.5,18.79 11.61,19.68 v5(11.05,19.68) 11.05,20.55 v5(10.9,20.7) ; JMEDIA1.44 18.89,58.85 ; JMEDIA1.44 18.41,57.84 ; JMEDIA1.44 18.41,59.85 ; JMEDIA1.44 17.94,58.85 ; 10.79,57.84 JMEDIA1.56 ; JMEDIA1.56 10.79,59.85 ; JMEDIA1.56 11.27,58.85 ; JMEDIA1.56 10.32,58.85 ; 15.88,25.88 v5(16.1,25.88) 16.33,25.88 ; 26.69,37.16 v5(26.92,37.16) 27.14,37.16 ; 35.61,50.18 v5(35.61,50.48) ; v5(22.33,13.72) 22.33,13.95 ; v5(22.33,13.72) 22.15,13.72 ; v5(22.33,13.72) 22.33,13.48 ; 44.36,47.75 v5(44.67,47.75) ; v5(44.67,47.75) 44.67,48.01 ; v5(44.67,47.75) 44.98,47.75 ; 26.4,34.88 C1704.2 26.4,35.33 ; 37.94,27.66 C2204.2 ; C2204.2 38.17,27.88 ; C2204.2 38.17,27.43 ; 19.44,6.15 D26071.1 ; D26071.1 19.44,6.77 ; D26071.1 19.19,6.46 ; 15.66,14.02 v5(15.39,14.29) ; v5(34.59,23.58) 34.59,23.81 ; v5(34.59,23.58) 34.81,23.58 ; v5(34.59,23.58) 34.59,23.35 ; 33.35,36.57 C1902.2 33.58,36.35 ; 32.31,34.79 32.31,35.24 ; 25.7,33.76 v5(25.7,33.53) 25.7,33.3 ; 36.99,54.95 JMEDIA1.13 ; JMEDIA1.13 37.47,55.95 ; JMEDIA1.13 37.94,54.95 ; JMEDIA1.13 37.47,53.94 ; C1713.2 28.72,31.9 ; C1713.2 28.5,31.67 ; C1713.2 28.5,32.13 ; 16.28,20.75 v5(16.59,20.75) 16.59,20.45 ; 32.74,30.93 C1926.2 32.74,30.47 ; v5(37.12,32.55) 37.34,32.55 ; v5(37.12,32.55) 37.12,32.33 ; v5(37.12,32.55) 37.12,32.78 ; 15.15,19.54 v5(15.15,19.85) ; v5(15.15,19.85) 15.45,19.85 ; v5(15.15,19.85) 14.85,19.85 ; 25.35,36.59 v5(25.35,36.82) ; v5(25.35,36.82) 25.13,36.82 ; v5(25.35,36.82) 25.35,37.05 ; 41.27,53.94 v5(41.27,54.95) ; v5(41.27,54.95) 41.27,55.95 ; v5(41.27,54.95) 41.75,54.95 ; v5(41.27,54.95) 40.8,54.95 ; 10.2,60.35 C2620.2 ; C2620.2 10.2,60.95 ; C2620.2 10.51,60.65 ; 26.24,32.21 C1743.2 26.24,32.67 ; 27.41,34.56 v5(27.63,34.56) ; C804.2 34.58,16.3 ; C804.2 34.58,15.85 ; C804.2 34.36,16.07 ; 40.77,31.95 v5(41,31.95) ; v5(41,31.95) 41.23,31.95 ; v5(41,31.95) 41,32.18 ; 28.24,38.14 C1833.2 28.24,37.68 ; 26.71,35.64 C1924.2 ; 17.47,36.7 v5(17.47,36.4) 17.78,36.4 ; 11.91,36.78 v5(12.22,36.78) 12.22,37.08 ; C1818.2 30.84,37.14 ; C1818.2 30.61,37.37 ; C1818.2 30.39,37.14 ; C1811.2 32.34,34.19 ; C1811.2 32.34,33.74 ; 18.39,51.75 v5(18.39,52.24) ; v5(16.13,27.38) 16.36,27.38 ; v5(16.13,27.38) 15.9,27.38 ; v5(16.13,27.38) 16.13,27.61 ; 45.89,43.46 v5(46.19,43.46) ; v5(46.19,43.46) 46.49,43.46 ; v5(46.19,43.46) 46.19,43.15 ; v5(9.37,29.78) 9.39,29.76 9.39,29.17 C2514.2 9.68,29.18 ; 12.84,6.44 D26076.1 ; D26076.1 13.09,6.13 ; 18.13,36.3 v5(18.43,36.3) ; 6.83,21.41 v5(7.14,21.41) v5(7.47,21.41) v5(7.72,21.41) ; v5(31.14,37.14) 31.37,37.14 ; v5(31.14,37.14) 31.14,37.37 ; v5(31.14,37.14) 30.92,37.14 ; v5(7.44,28.3) 7.65,28.09 C2512.2 7.95,27.86 ; v5(29.29,38.19) 29.29,38.41 ; v5(29.29,38.19) 29.52,38.19 ; v5(29.29,38.19) 29.06,38.19 ; 28.78,32.22 C1710.2 28.78,32.68 ; 25.68,29.53 v5(26.03,29.53) ; v5(26.03,29.53) 26.03,29.13 ; v5(26.03,29.53) 26.03,29.93 ; 34.88,50.04 v5(34.58,50.04) 34.58,49.73 ; 15.45,29.09 v5(15.15,29.09) 15.15,28.78 ; 7.27,38.96 v5(7.57,38.96) ; 27.26,32.75 C1717.2 ; C1717.2 27.03,32.98 ; C1717.2 27.26,33.21 ; 17.45,20.75 v5(17.14,20.75) 17.14,20.45 ; 37.63,36.18 v5(37.63,36.4) ; v5(37.63,36.4) 37.63,36.63 ; v5(37.63,36.4) 37.85,36.4 ; v5(29.22,22.3) 29.42,22.3 ; 38.55,35.17 v5(38.55,35.4) ; v5(38.55,35.4) 38.32,35.4 ; v5(38.55,35.4) 38.55,35.63 ; 8.97,41.59 v5(9.6,41.59) ; v5(9.6,41.59) 10.23,41.59 ; v5(9.6,41.59) 9.6,41.07 ; 9.04,19.51 v5(9.04,19.81) 9.35,19.81 ; v5(34.29,30.74) 34.51,30.74 ; v5(34.29,30.74) 34.06,30.74 ; v5(34.29,30.74) 34.29,30.52 ; C1715.2 28.5,31.59 ; 1.57,27.94 JANALOG1.6 ; JANALOG1.6 3.51,27.94 ; JANALOG1.6 2.54,26.97 ; 32.74,29.96 v5(32.74,30.19) 32.74,30.42 ; 17.65,13.34 C2624.2 v5(17.65,13.99) ; C1808.2 30.29,35.6 ; C1808.2 30.06,35.83 ; C1808.2 30.06,35.37 ; 14.61,57.84 14.61,58.85 ; 14.61,58.85 14.61,59.85 ; 14.61,58.85 14.13,58.85 ; 14.61,58.85 15.08,58.85 ; 34.59,22.72 v5(34.59,22.95) ; v5(34.59,22.95) 34.59,23.17 ; v5(34.59,22.95) 34.81,22.95 ; 26.6,35.64 C1940.2 26.38,35.41 ; 45.09,59.85 v5(45.09,58.85) 44.61,58.85 ; C1820.2 29.75,37.14 ; C1820.2 29.3,37.14 ; C1820.2 29.52,37.36 ; 37,15.43 C901.2 36.77,15.66 ; 23.64,13.48 v5(23.64,13.72) ; v5(23.64,13.72) 23.64,13.95 ; v5(23.64,13.72) 23.82,13.72 ; 38.02,16.97 v5(37.8,16.97) 37.8,17.19 ; v5(38.13,29.41) 38.36,29.41 ; v5(38.13,29.41) 38.13,29.63 ; v5(38.13,29.41) 38.13,29.18 ; 33.87,35.44 v5(33.87,35.67) ; v5(43.52,48.03) 43.83,48.03 ; v5(43.52,48.03) 43.52,48.29 ; v5(43.52,48.03) 43.21,48.03 ; 28.97,30.08 C1718.2 28.74,30.31 ; 31.93,37.11 C1846.2 31.48,37.11 ; 25.13,35.74 C1919.2 ; C1919.2 25.35,35.97 ; C1919.2 25.35,35.52 ; v5(28.06,35.61) 28.06,35.55 27.89,35.38 ; 30.09,34.3 C1816.2 30.09,34.75 ; C1701.2 30.6,32.46 ; 39.17,53.07 v5(38.87,53.07) 38.87,53.38 ; 26.22,34.36 v5(26.22,34.59) 26.22,34.82 ; 46,45.42 v5(46.3,45.42) 46.6,45.42 ; C1739.2 30.04,36.12 C1819.2 30.03,35.88 ; 20.21,5.2 v5(20.21,4.89) 19.95,4.89 ; 25.7,33.25 v5(25.7,33.02) 25.93,33.02 ; C2626.2 8.62,14.4 ; C2626.2 v5(9.89,14.1) ; C2626.2 8.62,13.6 D26101.1 8.82,13.54 ; 31.1,30.69 C1932.2 31.1,31.14 ; 21.13,14.02 v5(21.13,13.71) 21.13,13.4 ; 16.6,23.42 C2515.2 17.2,23.42 ; v5(14.61,54.95) 15.08,54.95 ; v5(14.61,54.95) 14.61,55.95 ; v5(14.61,54.95) 14.61,53.94 ; v5(14.61,54.95) 14.13,54.95 ; v5(34.13,19.61) 34.36,19.61 ; v5(34.13,19.61) 34.13,19.38 ; v5(34.13,19.61) 34.13,19.83 ; 29.84,53.94 v5(29.84,54.95) ; v5(29.84,54.95) 29.37,54.95 ; v5(29.84,54.95) 30.32,54.95 ; v5(29.84,54.95) 29.84,55.95 ; C1727.2 32.08,32.03 ; 14.31,29.09 v5(14.61,29.09) 14.61,28.78 ; v5(38.31,53.07) 38.31,53.38 ; 20.33,6.77 D26070.1 20.33,6.15 ; v5(23.49,8.08) 23.89,8.08 ; v5(23.49,8.08) 23.1,8.08 ; v5(23.49,8.08) 23.49,7.16 ; 31.98,37.11 v5(32.21,37.11) ; 34.03,34.34 v5(34.03,34.11) 34.03,33.89 ; 18.9,34.09 v5(18.9,34.4) 18.6,34.4 ; 43.98,46.19 v5(43.98,45.89) 43.67,45.89 ; 26.6,37.16 v5(26.38,37.16) 26.15,37.16 ; v5(34.98,29.76) 34.98,30.16 ; v5(34.98,29.76) 34.98,29.36 ; v5(34.98,29.76) 35.33,29.76 ; 7.11,37.64 v5(6.81,37.64) 6.5,37.64 ; 35.82,53.72 C3028.2 35.51,53.41 ; 29.01,32.15 C1901.2 28.78,31.92 ; C1813.2 27.99,35.63 v5(27.99,36.12) ; 25.09,31.41 v5(25.32,31.41) ; v5(36.85,53.41) 36.85,53.72 ; EMMC1.H10 v5(26.23,20.05) ; 29.23,13.3 v5(29.23,13.53) 29.41,13.53 ; 33.65,31.58 C1925.2 33.65,31.12 ; 32.08,32.59 C1731.2 32.08,33.05 ; 26.44,33.01 C1826.2 26.21,32.78 ; v5(26.05,62.56) 26.05,63.05 ; 32.44,38.12 32.37,38.12 v5(32.64,38.4) ; 43.1,30.98 v5(43.1,31.25) ; v5(43.1,31.25) 42.58,31.25 ; v5(43.1,31.25) 43.62,31.25 ; v5(16.81,22.07) 17.12,22.07 ; 31.05,31.2 C1933.2 ; 30.27,35.3 C1814.2 30.27,34.85 ; 5.25,58.09 C2618.2 ; C2618.2 5.68,58.52 ; C2618.2 6.11,58.09 ; 12.42,20.14 v5(12.42,20.45) ; 29.62,32.96 C1712.2 ; 33.86,34.86 C1915.2 33.86,34.4 ; 22.52,22.3 v5(22.72,22.3) ; 29.01,36.86 C1741.2 C1732.2 C1734.2 29.01,35.43 29.23,35.21 v5(29.23,35.06) 29.23,34.57 C1735.2 29.2,34.31 ; v5(12.91,53.38) 12.91,53.69 ; 7.18,6.25 D26100.1 7.49,6.51 ; 26.23,34.31 v5(26.23,34.08) 26.23,33.85 ; v5(13.39,53.4) 13.39,53.71 ; C1709.2 27.26,32.67 ; 22.67,4.91 v5(22.49,4.91) 22.49,5.15 ; 32.62,31.05 C1927.2 ; 14.55,18.82 v5(14.55,19.13) ; v5(14.55,19.13) v5(14.55,20.42) ; 28.42,30.34 C1725.2 ; 7.96,26.21 v5(7.62,26.21) 7.62,25.91 ; 31.18,30.63 C1930.2 31.18,30.17 ; 33.1,34.24 32.85,34.49 C1738.2 ; v5(15.11,32) 15.11,32.31 ; 32.64,37.74 32.84,37.54 v5(32.84,37.48) ; 45.29,30.16 v5(45.29,30.39) 45.52,30.39 ; C2215.2 46.85,29.09 ; C2215.2 46.5,28.69 ; C2215.2 46.5,29.49 ; 30.78,33.77 30.78,34 30.56,34 ; 31.13,29.15 C1931.2 ; v5(36.34,53.41) 36.34,53.72 ; C1835.2 31.14,32.46 ; C1835.2 30.92,32.23 ; C1835.2 30.69,32.46 ; 30.82,31.93 C1817.2 31.05,32.16 ; 26.05,61.19 v5(26.05,62.12) ; MCU1.M3 v5(9.58,22.45) ; C1848.2 32.78,37.59 ; U2606.8 33.63,53.61 ; 6.3,6.46 C2625.2 6.6,6.15 ; C1850.2 33.62,33.04 ; C1850.2 33.85,32.81 ; C1850.2 33.62,32.58 ; 14.28,32 v5(14.58,32) ; 15.51,19.85 v5(15.82,19.85) 15.82,19.54 ; 33.63,51.75 U2606.3 ; 16.36,25.88 v5(16.66,25.88) ; C1722.2 28.59,33.53 ; U2610.8 26.01,53.61 ; v5(29.22,23.3) 29.42,23.3
  BOTTOM w0.4: 44.71,42.51 v5(44.71,43.11) ; 21.29,60.83 U2607.4 20.94,60.29 ; 21.29,61.61 v5(20.94,61.61) 20.94,62.15
  BOTTOM w0.6: 9.79,34.1 v5(10.52,34.1) 11.25,34.1 ; 10.97,42.03 v5(11.7,42.03) 12.42,42.03 ; U2802.5 13.7,34.1